# KiCad board LED_Addrs.kicad_pcb (continued)
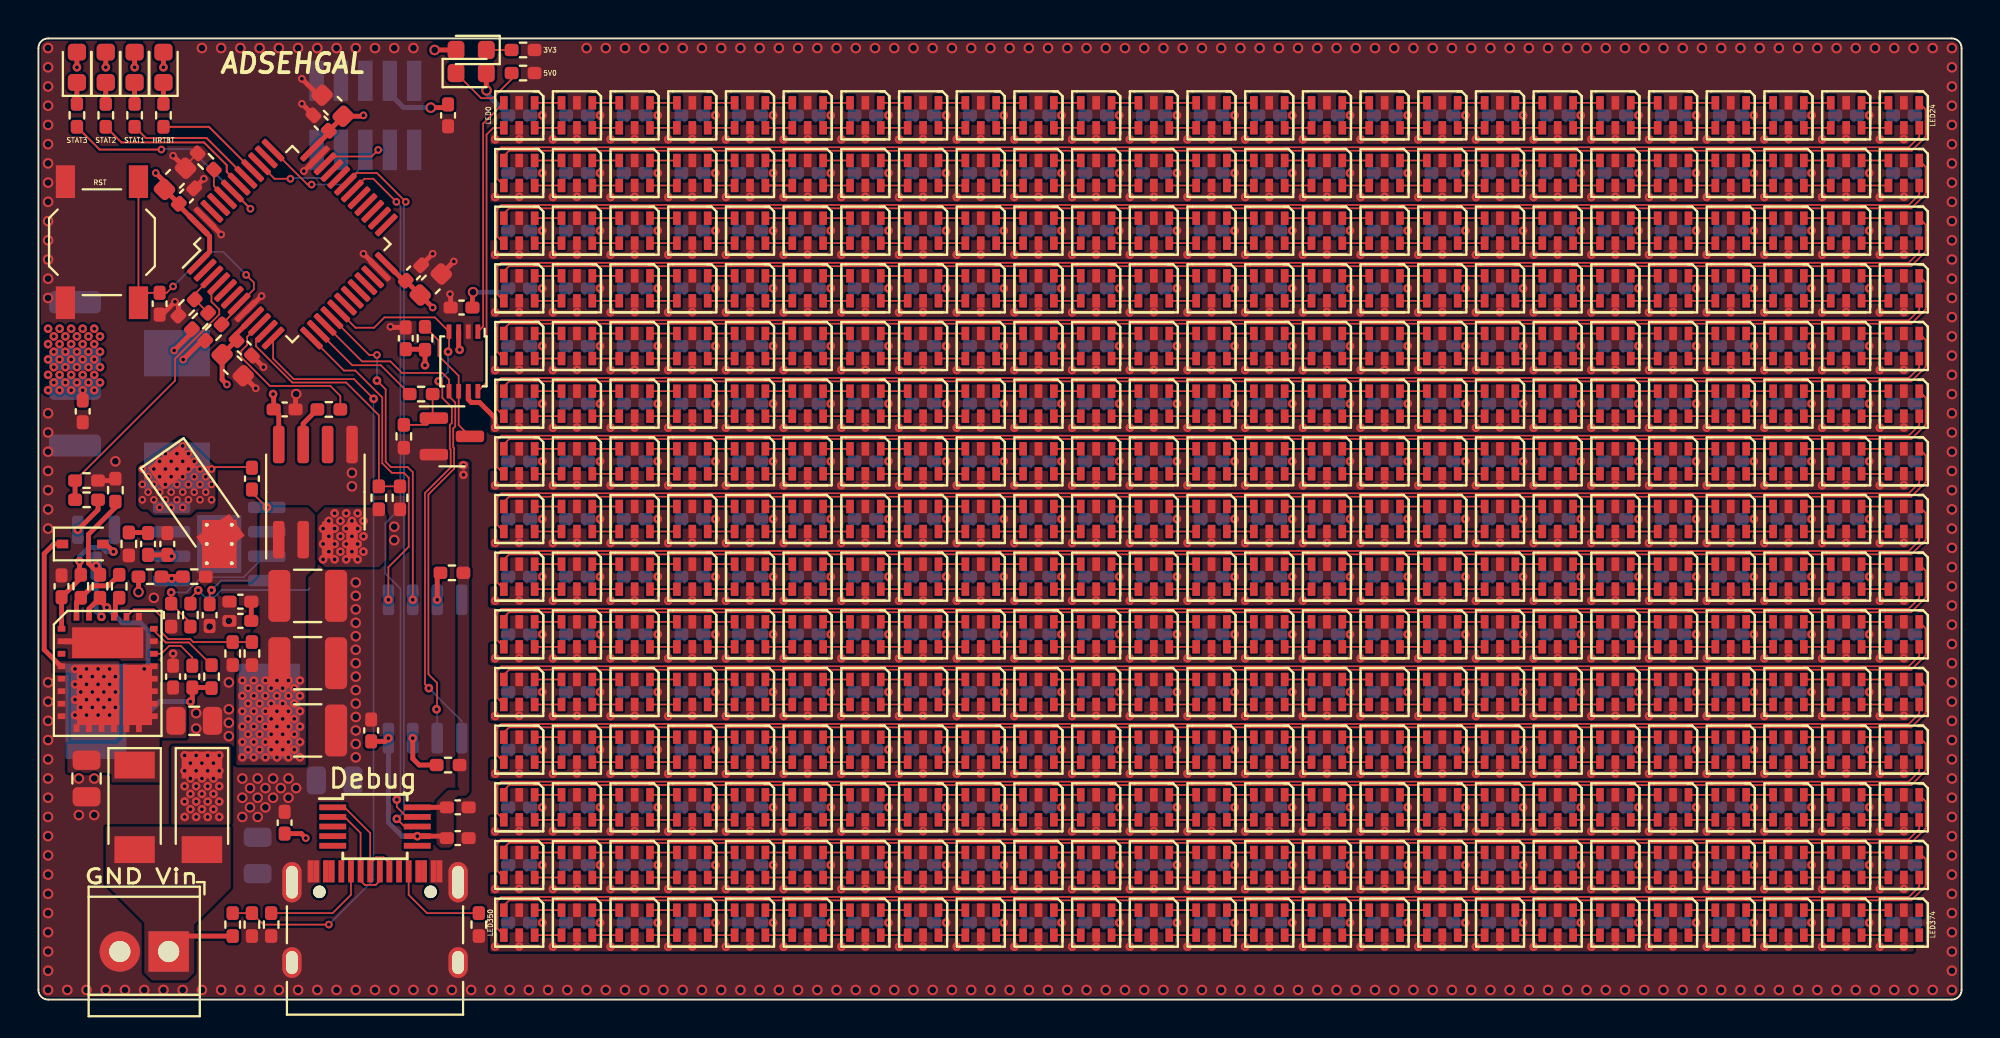
[diagram p0: board, top side]
## Routing (per net, layer and track width the routed paths; a pad name or vN(x,y) marks a point on that pad's centre or on a via; arc(x,y) is an arc through that point) (continued)
Net-(D284-Pad1): length 1.4
  Top w0.089: D285.3 D284.1
Net-(D284-Pad6): length 1.4
  Top w0.089: D284.6 D285.4
Net-(D285-Pad1): length 1.4
  Top w0.089: D285.1 D286.3
Net-(D285-Pad6): length 1.4
  Top w0.089: D286.4 D285.6
Net-(D286-Pad1): length 1.4
  Top w0.089: D287.3 D286.1
Net-(D286-Pad6): length 1.4
  Top w0.089: D286.6 D287.4
Net-(D287-Pad1): length 1.4
  Top w0.089: D287.1 D288.3
Net-(D287-Pad6): length 1.4
  Top w0.089: D288.4 D287.6
Net-(D288-Pad1): length 1.4
  Top w0.089: D289.3 D288.1
Net-(D288-Pad6): length 1.4
  Top w0.089: D288.6 D289.4
Net-(D289-Pad1): length 1.4
  Top w0.089: D289.1 D290.3
Net-(D289-Pad6): length 1.4
  Top w0.089: D290.4 D289.6
Net-(D290-Pad1): length 1.4
  Top w0.089: D291.3 D290.1
Net-(D290-Pad6): length 1.4
  Top w0.089: D290.6 D291.4
Net-(D291-Pad1): length 1.4
  Top w0.089: D291.1 D292.3
Net-(D291-Pad6): length 1.4
  Top w0.089: D292.4 D291.6
Net-(D292-Pad1): length 1.4
  Top w0.089: D293.3 D292.1
Net-(D292-Pad6): length 1.4
  Top w0.089: D292.6 D293.4
Net-(D293-Pad1): length 1.4
  Top w0.089: D293.1 D294.3
Net-(D293-Pad6): length 1.4
  Top w0.089: D294.4 D293.6
Net-(D294-Pad1): length 1.4
  Top w0.089: D295.3 D294.1
Net-(D294-Pad6): length 1.4
  Top w0.089: D294.6 D295.4
Net-(D295-Pad1): length 1.4
  Top w0.089: D295.1 D296.3
Net-(D295-Pad6): length 1.4
  Top w0.089: D296.4 D295.6
Net-(D296-Pad1): length 1.4
  Top w0.089: D297.3 D296.1
Net-(D296-Pad6): length 1.4
  Top w0.089: D296.6 D297.4
Net-(D297-Pad1): length 1.4
  Top w0.089: D297.1 D298.3
Net-(D297-Pad6): length 1.4
  Top w0.089: D298.4 D297.6
Net-(D298-Pad1): length 1.4
  Top w0.089: D299.3 D298.1
Net-(D298-Pad6): length 1.4
  Top w0.089: D298.6 D299.4
Net-(D299-Pad1): length 1.4
  Top w0.089: D299.1 D300.3
Net-(D299-Pad6): length 1.4
  Top w0.089: D300.4 D299.6
Net-(D301-Pad1): length 1.4
  Top w0.089: D301.1 D302.3
Net-(D301-Pad6): length 1.4
  Top w0.089: D302.4 D301.6
Net-(D302-Pad1): length 1.4
  Top w0.089: D303.3 D302.1
Net-(D302-Pad6): length 1.4
  Top w0.089: D302.6 D303.4
Net-(D303-Pad1): length 1.4
  Top w0.089: D304.3 D303.1
Net-(D303-Pad6): length 1.4
  Top w0.089: D304.4 D303.6
Net-(D304-Pad1): length 1.4
  Top w0.089: D305.3 D304.1
Net-(D304-Pad6): length 1.4
  Top w0.089: D304.6 D305.4
Net-(D305-Pad1): length 1.4
  Top w0.089: D305.1 D306.3
Net-(D305-Pad6): length 1.4
  Top w0.089: D306.4 D305.6
Net-(D306-Pad1): length 1.4
  Top w0.089: D307.3 D306.1
Net-(D306-Pad6): length 1.4
  Top w0.089: D306.6 D307.4
Net-(D307-Pad1): length 1.4
  Top w0.089: D307.1 D308.3
Net-(D307-Pad6): length 1.4
  Top w0.089: D308.4 D307.6
Net-(D308-Pad1): length 1.4
  Top w0.089: D308.1 D309.3
Net-(D308-Pad6): length 1.4
  Top w0.089: D309.4 D308.6
Net-(D309-Pad1): length 1.4
  Top w0.089: D310.3 D309.1
Net-(D309-Pad6): length 1.4
  Top w0.089: D309.6 D310.4
Net-(D310-Pad1): length 1.4
  Top w0.089: D310.1 D311.3
Net-(D310-Pad6): length 1.4
  Top w0.089: D311.4 D310.6
Net-(D311-Pad1): length 1.4
  Top w0.089: D311.1 D312.3
Net-(D311-Pad6): length 1.4
  Top w0.089: D312.4 D311.6
Net-(D312-Pad1): length 1.4
  Top w0.089: D312.1 D313.3
Net-(D312-Pad6): length 1.4
  Top w0.089: D313.4 D312.6
Net-(D313-Pad1): length 1.4
  Top w0.089: D314.3 D313.1
Net-(D313-Pad6): length 1.4
  Top w0.089: D313.6 D314.4
Net-(D314-Pad1): length 1.4
  Top w0.089: D314.1 D315.3
Net-(D314-Pad6): length 1.4
  Top w0.089: D315.4 D314.6
Net-(D315-Pad1): length 1.4
  Top w0.089: D316.3 D315.1
Net-(D315-Pad6): length 1.4
  Top w0.089: D315.6 D316.4
Net-(D316-Pad1): length 1.4
  Top w0.089: D316.1 D317.3
Net-(D316-Pad6): length 1.4
  Top w0.089: D317.4 D316.6
Net-(D317-Pad1): length 1.4
  Top w0.089: D318.3 D317.1
Net-(D317-Pad6): length 1.4
  Top w0.089: D317.6 D318.4
Net-(D318-Pad1): length 1.4
  Top w0.089: D318.1 D319.3
Net-(D318-Pad6): length 1.4
  Top w0.089: D319.4 D318.6
Net-(D319-Pad1): length 1.4
  Top w0.089: D320.3 D319.1
Net-(D319-Pad6): length 1.4
  Top w0.089: D319.6 D320.4
Net-(D320-Pad1): length 1.4
  Top w0.089: D320.1 D321.3
Net-(D320-Pad6): length 1.4
  Top w0.089: D321.4 D320.6
Net-(D321-Pad1): length 1.4
  Top w0.089: D322.3 D321.1
Net-(D321-Pad6): length 1.4
  Top w0.089: D321.6 D322.4
Net-(D322-Pad1): length 1.4
  Top w0.089: D323.3 D322.1
Net-(D322-Pad6): length 1.4
  Top w0.089: D322.6 D323.4
Net-(D323-Pad1): length 1.4
  Top w0.089: D324.3 D323.1
Net-(D323-Pad6): length 1.4
  Top w0.089: D323.6 D324.4
Net-(D324-Pad1): length 1.4
  Top w0.089: D324.1 D325.3
Net-(D324-Pad6): length 1.4
  Top w0.089: D325.4 D324.6
Net-(D326-Pad1): length 1.4
  Top w0.089: D327.3 D326.1
Net-(D326-Pad6): length 1.4
  Top w0.089: D326.6 D327.4
Net-(D327-Pad1): length 1.4
  Top w0.089: D327.1 D328.3
Net-(D327-Pad6): length 1.4
  Top w0.089: D328.4 D327.6
Net-(D328-Pad1): length 1.4
  Top w0.089: D329.3 D328.1
Net-(D328-Pad6): length 1.4
  Top w0.089: D328.6 D329.4
Net-(D329-Pad1): length 1.4
  Top w0.089: D329.1 D330.3
Net-(D329-Pad6): length 1.4
  Top w0.089: D330.4 D329.6
Net-(D330-Pad1): length 1.4
  Top w0.089: D331.3 D330.1
Net-(D330-Pad6): length 1.4
  Top w0.089: D330.6 D331.4
Net-(D331-Pad1): length 1.4
  Top w0.089: D331.1 D332.3
Net-(D331-Pad6): length 1.4
  Top w0.089: D332.4 D331.6
Net-(D332-Pad1): length 1.4
  Top w0.089: D333.3 D332.1
Net-(D332-Pad6): length 1.4
  Top w0.089: D332.6 D333.4
Net-(D333-Pad1): length 1.4
  Top w0.089: D333.1 D334.3
Net-(D333-Pad6): length 1.4
  Top w0.089: D334.4 D333.6
Net-(D334-Pad1): length 1.4
  Top w0.089: D335.3 D334.1
Net-(D334-Pad6): length 1.4
  Top w0.089: D334.6 D335.4
Net-(D335-Pad1): length 1.4
  Top w0.089: D335.1 D336.3
Net-(D335-Pad6): length 1.4
  Top w0.089: D336.4 D335.6
Net-(D336-Pad1): length 1.4
  Top w0.089: D337.3 D336.1
Net-(D336-Pad6): length 1.4
  Top w0.089: D336.6 D337.4
Net-(D337-Pad1): length 1.4
  Top w0.089: D337.1 D338.3
Net-(D337-Pad6): length 1.4
  Top w0.089: D338.4 D337.6
Net-(D338-Pad1): length 1.4
  Top w0.089: D339.3 D338.1
Net-(D338-Pad6): length 1.4
  Top w0.089: D338.6 D339.4
Net-(D339-Pad1): length 1.4
  Top w0.089: D339.1 D340.3
Net-(D339-Pad6): length 1.4
  Top w0.089: D340.4 D339.6
Net-(D340-Pad1): length 1.4
  Top w0.089: D341.3 D340.1
Net-(D340-Pad6): length 1.4
  Top w0.089: D340.6 D341.4
Net-(D341-Pad1): length 1.4
  Top w0.089: D341.1 D342.3
Net-(D341-Pad6): length 1.4
  Top w0.089: D342.4 D341.6
Net-(D342-Pad1): length 1.4
  Top w0.089: D343.3 D342.1
Net-(D342-Pad6): length 1.4
  Top w0.089: D342.6 D343.4
Net-(D343-Pad1): length 1.4
  Top w0.089: D343.1 D344.3
Net-(D343-Pad6): length 1.4
  Top w0.089: D344.4 D343.6
Net-(D344-Pad1): length 1.4
  Top w0.089: D345.3 D344.1
Net-(D344-Pad6): length 1.4
  Top w0.089: D344.6 D345.4
Net-(D345-Pad1): length 1.4
  Top w0.089: D345.1 D346.3
Net-(D345-Pad6): length 1.4
  Top w0.089: D346.4 D345.6
Net-(D346-Pad1): length 1.4
  Top w0.089: D347.3 D346.1
Net-(D346-Pad6): length 1.4
  Top w0.089: D346.6 D347.4
Net-(D347-Pad1): length 1.4
  Top w0.089: D347.1 D348.3
Net-(D347-Pad6): length 1.4
  Top w0.089: D348.4 D347.6
Net-(D348-Pad1): length 1.4
  Top w0.089: D349.3 D348.1
Net-(D348-Pad6): length 1.4
  Top w0.089: D348.6 D349.4
Net-(D349-Pad1): length 1.4
  Top w0.089: D349.1 D350.3
Net-(D349-Pad6): length 1.4
  Top w0.089: D350.4 D349.6
Net-(D351-Pad1): length 1.4
  Top w0.089: D351.1 D352.3
Net-(D351-Pad6): length 1.4
  Top w0.089: D352.4 D351.6
Net-(D352-Pad1): length 1.4
  Top w0.089: D353.3 D352.1
Net-(D352-Pad6): length 1.4
  Top w0.089: D352.6 D353.4
Net-(D353-Pad1): length 1.4
  Top w0.089: D354.3 D353.1
Net-(D353-Pad6): length 1.4
  Top w0.089: D354.4 D353.6
Net-(D354-Pad1): length 1.4
  Top w0.089: D355.3 D354.1
Net-(D354-Pad6): length 1.4
  Top w0.089: D354.6 D355.4
Net-(D355-Pad1): length 1.4
  Top w0.089: D355.1 D356.3
Net-(D355-Pad6): length 1.4
  Top w0.089: D356.4 D355.6
Net-(D356-Pad1): length 1.4
  Top w0.089: D357.3 D356.1
Net-(D356-Pad6): length 1.4
  Top w0.089: D356.6 D357.4
Net-(D357-Pad1): length 1.4
  Top w0.089: D357.1 D358.3
Net-(D357-Pad6): length 1.4
  Top w0.089: D358.4 D357.6
Net-(D358-Pad1): length 1.4
  Top w0.089: D358.1 D359.3
Net-(D358-Pad6): length 1.4
  Top w0.089: D359.4 D358.6
Net-(D359-Pad1): length 1.4
  Top w0.089: D360.3 D359.1
Net-(D359-Pad6): length 1.4
  Top w0.089: D359.6 D360.4
Net-(D360-Pad1): length 1.4
  Top w0.089: D360.1 D361.3
Net-(D360-Pad6): length 1.4
  Top w0.089: D361.4 D360.6
Net-(D361-Pad1): length 1.4
  Top w0.089: D361.1 D362.3
Net-(D361-Pad6): length 1.4
  Top w0.089: D362.4 D361.6
Net-(D362-Pad1): length 1.4
  Top w0.089: D362.1 D363.3
Net-(D362-Pad6): length 1.4
  Top w0.089: D363.4 D362.6
Net-(D363-Pad1): length 1.4
  Top w0.089: D364.3 D363.1
Net-(D363-Pad6): length 1.4
  Top w0.089: D363.6 D364.4
Net-(D364-Pad1): length 1.4
  Top w0.089: D364.1 D365.3
Net-(D364-Pad6): length 1.4
  Top w0.089: D365.4 D364.6
Net-(D365-Pad1): length 1.4
  Top w0.089: D366.3 D365.1
Net-(D365-Pad6): length 1.4
  Top w0.089: D365.6 D366.4
Net-(D366-Pad1): length 1.4
  Top w0.089: D366.1 D367.3
Net-(D366-Pad6): length 1.4
  Top w0.089: D367.4 D366.6
Net-(D367-Pad1): length 1.4
  Top w0.089: D368.3 D367.1
Net-(D367-Pad6): length 1.4
  Top w0.089: D367.6 D368.4
Net-(D368-Pad1): length 1.4
  Top w0.089: D368.1 D369.3
Net-(D368-Pad6): length 1.4
  Top w0.089: D369.4 D368.6
Net-(D369-Pad1): length 1.4
  Top w0.089: D370.3 D369.1
Net-(D369-Pad6): length 1.4
  Top w0.089: D369.6 D370.4
Net-(D370-Pad1): length 1.4
  Top w0.089: D370.1 D371.3
Net-(D370-Pad6): length 1.4
  Top w0.089: D371.4 D370.6
Net-(D371-Pad1): length 1.4
  Top w0.089: D372.3 D371.1
Net-(D371-Pad6): length 1.4
  Top w0.089: D371.6 D372.4
Net-(D372-Pad1): length 1.4
  Top w0.089: D373.3 D372.1
Net-(D372-Pad6): length 1.4
  Top w0.089: D372.6 D373.4
Net-(D373-Pad1): length 1.4
  Top w0.089: D374.3 D373.1
Net-(D373-Pad6): length 1.4
  Top w0.089: D373.6 D374.4
Net-(D374-Pad1): length 1.4
  Top w0.089: D374.1 D375.3
Net-(D374-Pad6): length 1.4
  Top w0.089: D375.4 D374.6
Net-(D376-Pad1): length 1.1
  Top w0.254: D376.1 R3.1
Net-(D377-Pad1): length 1.1
  Top w0.254: D377.1 R4.1
Net-(D378-Pad1): length 1.1
  Top w0.254: D378.1 R5.1
Net-(D379-Pad1): length 1.1
  Top w0.254: D379.1 R6.1
Net-(D382-Pad1): length 1.3
  Top w0.089: D382.1 R20.1
Net-(D385-Pad1): length 4.2
  Top w0.089: R37.1 24.6,47.88 23.61,46.89 23.02,46.89 D385.1
Net-(J2-PadA5): length 5.8
  Top w0.089: R10.1 15.3,4.5 16.25,5.45 J2.A5
Net-(J2-PadB5): length 5.3
  Top w0.089: J2.B5 19.25,5.45 20.2,4.5 R11.1
Net-(Q1-Pad1): length 3
  Top w0.089: R13.1 20.5,30.32 Q1.1 20.21,29.9 R14.2
Net-(Q1-Pad3): length 6.7
  Top w0.089: R12.1 20.8,34.3 20.8,33.5 21.85,32.45 U3.6 21.85,29.89 Q1.3
Net-(Q2-Pad1): length 2
  Top w0.254: R29.1 3.1,25.48 v2(2.05,24.44)
Net-(Q2-Pad3): length 7.9
  Top w0.254: R28.2 4,25.6 2.6,24.2 2.6,22.7 R26.1 3.2,22.36 v2(3,22.56)
  Bottom w0.254: v2(3,22.56) 3,20.19 v2(3.28,19.91)
Net-(R15-Pad1): length 1.5
  Top w0.254: R15.1 20.73,22.03 v2(20.73,20.8)
Net-(R16-Pad1): length 2.4
  Top w0.254: R16.1 19.8,12.2 19.46,12.53 v2(19.46,13.6)
Net-(R17-Pad1): length 1.7
  Top w0.254: R17.1 R19.2 7.02,22 v2(6.93,21.9)
Net-(R18-Pad1): length 7.9
  Top w0.089: R18.1 7.9,19.6 R21.2 v2(6.9,21.18)
  Bottom w0.089: v2(6.9,21.18) 7.69,21.18 8.48,21.97 10.67,21.97 11.77,23.06 11.88,23.06
Net-(R23-Pad2): length 2.1
  Top w0.254: R23.2 13.77,29.96 U7.7
Net-(R24-Pad2): length 3.8
  Top w0.089: R24.2 7.82,18.58 6.62,18.58 6,19.2 U6.22
Net-(R25-Pad1): length 7.9
  Top w0.089: U6.24 4.96,20.3 6,20.3 6.4,19.9 6.4,19.1 6.75,18.75 7.89,18.75 8.05,18.6 10.1,18.6 R27.2 R25.1
Net-(R33-Pad2): length 1.1
  Top w0.254: R33.2 4,20.7 4,19.99 U6.25

## Copper pours and planes (outline as drawn; the poured copper is in the pictures)
+3V3 on Top: 22.4,10.8 22.2,10.6 21.8,10.6 21.6,10.4 21.6,8.1 21.4,7.9 20.9,7.9 20.7,8.1 20.7,10.3 21.3,10.9 21.9,10.9 21.8,11.1 21.8,28 22.4,28
+3V3 on Bottom: 9.3,30.8 0,30.8 0,35.2 9.3,35.2
+3V3 on In2.Cu: 22.4,27 0,27 0,50 22.4,50
+5V on Top: 97.5,41.5 23.5,41.5 23.5,42.5 97.5,42.5
+5V on Top: 97.5,11.5 23.5,11.5 23.5,12.5 97.5,12.5
+5V on Top: 97.5,5.5 23.5,5.5 23.5,6.5 97.5,6.5
+5V on Top: 97.5,17.5 23.5,17.5 23.5,18.5 97.5,18.5
+5V on Top: 97.5,29.5 23.5,29.5 23.5,30.5 97.5,30.5
+5V on Top: 97.5,20.5 23.5,20.5 23.5,21.5 97.5,21.5
+5V on Top: 97.5,38.5 23.5,38.5 23.5,39.5 97.5,39.5
+5V on Top: 97.5,14.5 23.5,14.5 23.5,15.5 97.5,15.5
+5V on Top: 97.5,44.5 23.5,44.5 23.5,45.5 97.5,45.5
+5V on Top: 97.5,32.5 23.5,32.5 23.5,33.5 97.5,33.5
+5V on Top: 97.5,26.5 23.5,26.5 23.5,27.5 97.5,27.5
+5V on Top: 97.5,23.5 23.5,23.5 23.5,24.5 97.5,24.5
+5V on Top: 97.5,2.5 23.5,2.5 23.5,3.5 97.5,3.5
+5V on Top: 97.5,8.5 23.5,8.5 23.5,9.5 97.5,9.5
+5V on Top: 18.1,25.2 18.1,22.9 17.7,22.5 14.9,22.5 14.5,22.9 14.5,25.2 14.9,25.6 17.7,25.6
+5V on Top: 97.5,35.5 23.5,35.5 23.5,36.5 97.5,36.5
+5V on Bottom: 63.5,2.5 62.5,2.5 62.5,48 63.5,48
+5V on Bottom: 93.5,2.5 92.5,2.5 92.5,48 93.5,48
+5V on Bottom: 27.5,2.5 26.5,2.5 26.5,48 27.5,48
+5V on Bottom: 45.5,2.5 44.5,2.5 44.5,48 45.5,48
+5V on Bottom: 51.5,2.5 50.5,2.5 50.5,48 51.5,48
+5V on Bottom: 81.5,2.5 80.5,2.5 80.5,48 81.5,48
+5V on Bottom: 33.5,2.5 32.5,2.5 32.5,48 33.5,48
+5V on Bottom: 75.5,2.5 74.5,2.5 74.5,48 75.5,48
+5V on Bottom: 72.5,2.5 71.5,2.5 71.5,48 72.5,48
+5V on Bottom: 66.5,2.5 65.5,2.5 65.5,48 66.5,48
+5V on Bottom: 96.5,2.5 95.5,2.5 95.5,48 96.5,48
+5V on Bottom: 78.5,2.5 77.5,2.5 77.5,48 78.5,48
+5V on Bottom: 39.5,2.5 38.5,2.5 38.5,48 39.5,48
+5V on Bottom: 54.5,2.5 53.5,2.5 53.5,48 54.5,48
+5V on Bottom: 42.5,2.5 41.5,2.5 41.5,48 42.5,48
+5V on Bottom: 60.5,2.5 59.5,2.5 59.5,48 60.5,48
+5V on Bottom: 69.5,2.5 68.5,2.5 68.5,48 69.5,48
+5V on Bottom: 84.5,2.5 83.5,2.5 83.5,48 84.5,48
+5V on Bottom: 90.5,2.5 89.5,2.5 89.5,48 90.5,48
+5V on Bottom: 57.5,2.5 56.5,2.5 56.5,48 57.5,48
+5V on Bottom: 36.5,2.5 35.5,2.5 35.5,48 36.5,48
+5V on Bottom: 87.5,2.5 86.5,2.5 86.5,48 87.5,48
+5V on Bottom: 24.5,2.5 23.5,2.5 23.5,48 24.5,48
+5V on Bottom: 48.5,2.5 47.5,2.5 47.5,48 48.5,48
+5V on Bottom: 30.5,2.5 29.5,2.5 29.5,48 30.5,48
+5V on In2.Cu: 100,0 0,0 0,26.8 22.6,26.8 22.6,50 100,50
GND on Top, Bottom: 100,0 0,0 0,50 100,50
GND on In1.Cu: 100,0 0,0 0,50 100,50
/PWR/SW_3V3 on Top: 9.2,27.7 9.2,25.7 9,25.5 8.2,25.5 7.9,25.2 6,25.2 5.7,25.5 5.4,25.5 5.2,25.7 5.2,27.7 7.39,29.22 7.6,29.2
/PWR/SW_3V3 on Bottom: 9.2,27.7 9.2,25.7 9,25.5 8.2,25.5 7.9,25.2 6,25.2 5.7,25.5 5.4,25.5 5.2,25.7 5.2,27.7 7.39,29.22 7.6,29.2
/PWR/SW_5V on Top: 4.2,13.7 4,13.5 1.7,13.5 1.7,17 0.8,17.01 0.8,17.6 4.2,17.6
/PWR/SW_5V_L on Top: 14.4,25.2 14.4,22.5 13.9,22 13.9,12.2 10.3,12.2 10.3,18.3 11.5,19.5 11.5,20.5 9.5,20.5 9.5,21.6 11.1,21.6 11.5,22 11.5,25.2 11.9,25.6 14,25.6
/PWR/SW_5V_L on Bottom: 13.9,12.2 10.3,12.2 10.3,19.2 13.9,19.2
/PWR/V_DC_D_3V3 on Top: 10,9.1 6.9,9.1 6.9,13.2 10,13.2
/PWR/V_DC_D_3V3 on Bottom: 10,9.1 10.3,8.8 13.6,8.8 14.1,9.3 14.1,21.4 13.4,22 13.4,23.2 12.9,23.7 11,23.7 10.8,23.9 10.8,24.8 11,25 13,25 14.1,23.9 14.1,22.2 14.8,21.5 14.8,8.5 14.4,8.1 7.2,8.1 6.9,8.4 6.9,13 7.1,13.2 9.8,13.2 10,13
/PWR/V_DC_D_5V on Top: 6.3,16.5 7.7,16.5 7.7,13.6 6.3,13.6 6.3,11.3 3.8,11.3 3.8,11.7 3.7,11.8 1.5,11.8 1.5,13.3 4.1,13.3 4.4,13.6 4.4,17.5 6.3,17.5
VDC on Top: 10,5.8 8.1,3.9 8.1,1.4 7.7,1 5.9,1 5.5,1.4 5.5,4 3.5,6 3.5,9 10,9

## Text on the board
F.Silkscreen: STAT3 | RST | STAT2 | STAT1 | HRTBT | 3V3 | 5V0 | LED0 | LED350 | LED24 | LED374 | GND | Vin | Debug | ADSEHGAL
